# Altium PCB gateway.PcbDoc (part 3 of 4) (continued)
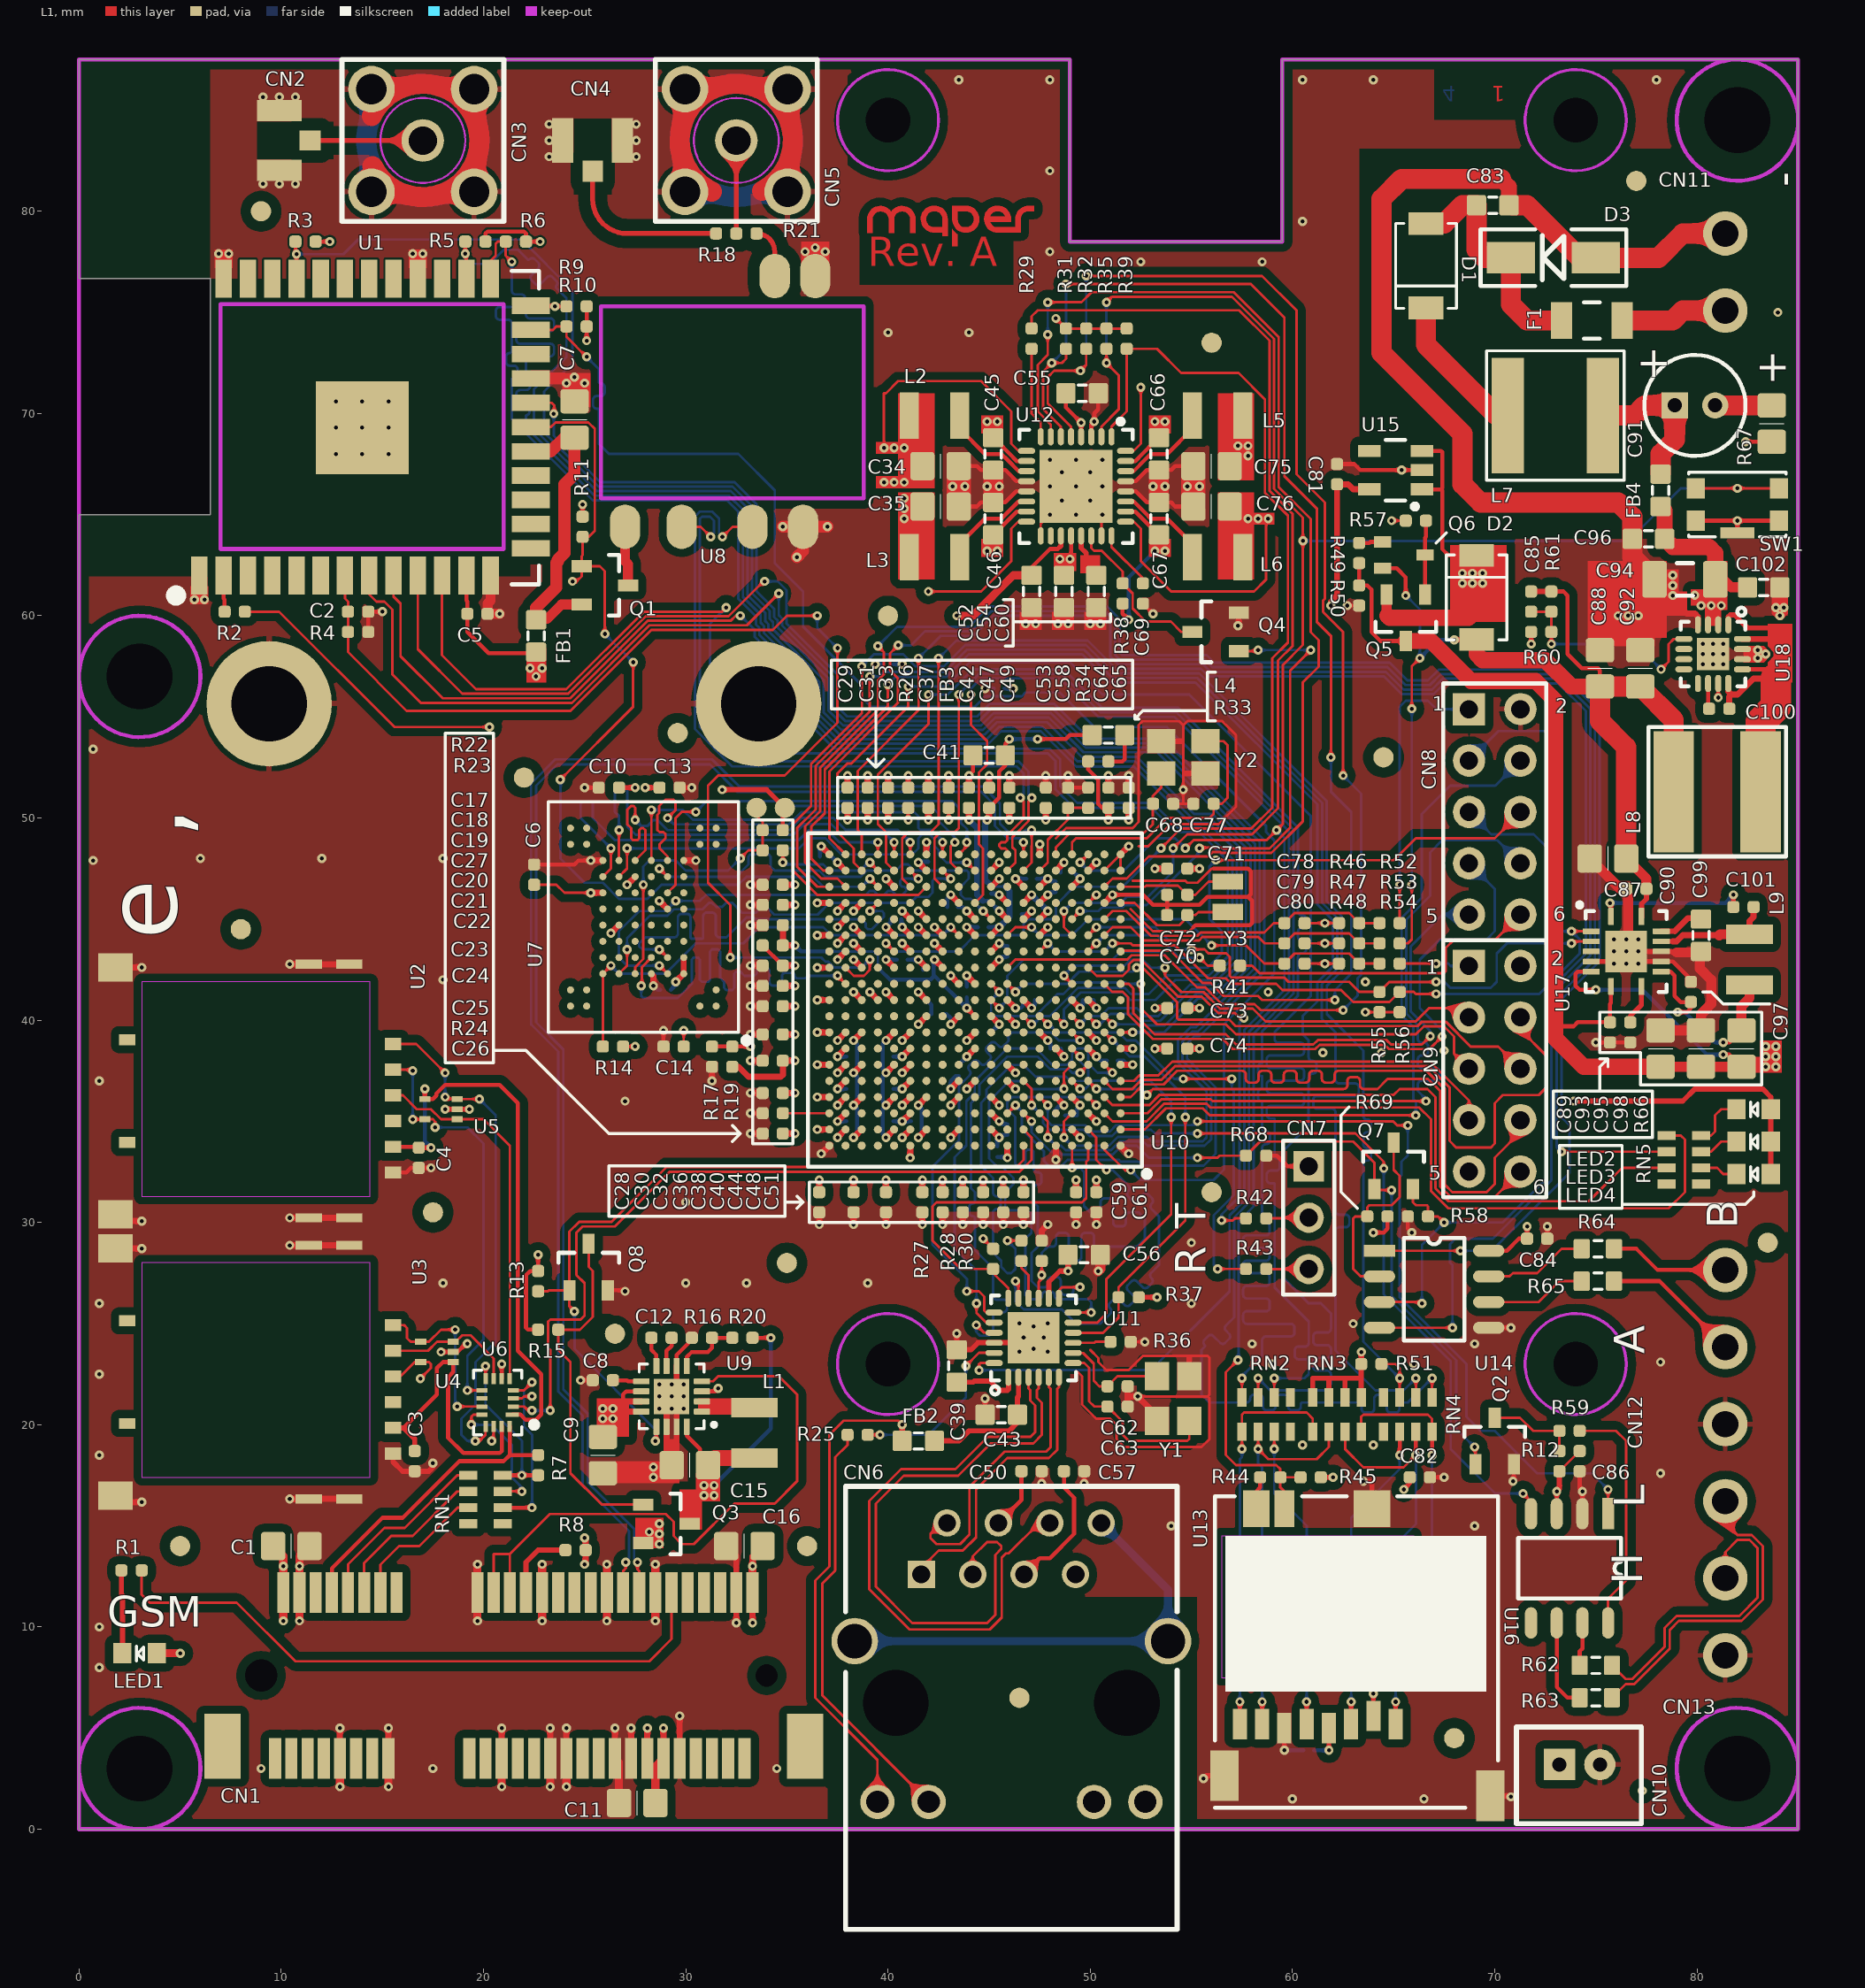
[diagram p0: L1 view]
## Nets (pads, with @x,y where several pads share a name; then routed paths per layer and width w, separated by ;. In a path a pad name is that pad's centre, name@x,y a point inside that pad or via, vN(x,y) a via of type N, cw(c..) or ccw(c..) an arc to the next point about the centre after c; other vN are vias at no path point) (continued)
  L4 w0.125: v1(49.512,72.112) 49.8,72.4 v1(49.8,76.8) ; v1(62.5,40.5) 63.212,41.212 63.212,42.061 63.4,42.248 63.4,51.2 v1(62.5,52.1)
MCP16502_INT: R39.1 U10.N15 U12.1 | length 56.8
  L1 w0.125: v1@39.902,43.798 U10.N15@40.3,43.4 ; U12.1@51.05,68.85 51.05,69.35 51.8,70.1 R39.1@51.8,73.2 53.3,73.2 54.5,72 57.33,72 58.639,70.691 58.639,66.086 59.775,64.949 59.775,58.675 58.993,57.893 58.993,50.511 57.957,49.475 54.475,49.475 v1(53.5,48.5)
  L4 w0.125: v1(39.9,43.798) 40.298,43.4 43.5,43.4 44.3,44.2 46.6,44.2 46.7,44.3 46.7,44.748 46.939,44.988 48.088,44.988 48.3,45.2 48.3,45.7 49.2,46.6 51.6,46.6 v1(53.5,48.5)
MEAS_5V: C79.2 R47.2 R53.1 U10.P2 | length 14.6
  L1 w0.125: U10.P2@50.7,44.2 51.1,44.6 52,44.6 52.65,43.95 55.384,43.95 55.546,44.113 58.31,44.113 58.623,43.8 C79.2@59.6,43.8 60.1,44.3 62.8,44.3 R47.2@63.3,43.8 R53.1@64.3,43.8
MEAS_VIN: C78.2 R46.2 R52.1 U10.R2 | length 14.9
  L1 w0.125: U10.R2@50.7,45 51.1,45.4 51.782,45.4 53.007,44.175 55.291,44.175 55.453,44.338 58.602,44.338 59.064,44.8 C78.2@59.6,44.8 60.1,45.3 62.8,45.3 R46.2@63.3,44.8 R52.1@64.3,44.8
MEAS_VSYS: C80.2 R48.2 R54.1 U10.P8 | length 20.2
  L1 w0.125: U10.P8@45.9,44.2 46.298,44.598 47.098,44.598 v1(47.1,44.6) ; v1(56,43.7) 57.7,43.7 58.6,42.8 C80.2@59.6,42.8 60.1,43.3 62.8,43.3 R48.2@63.3,42.8 R54.1@64.1,42.8
  L4 w0.125: v1(47.1,44.6) 47.5,44.2 49.1,44.2 49.9,45 54.7,45 v1(56,43.7)
MODEM_PG: CN1.20 CN1.22 U9.4 | length 31.4
  L1 w0.125: U9.4@30.8,22.15 31.35,22.15 31.6,22.4
  L1 w0.127: CN1.20@20.5,11.7 20.5,13.6 21.3,13.6 ; CN1.22@21.3,11.7 21.3,13.6 ; 31.6,22.4 34.6,22.4 35.5,21.5 35.5,17.2 34.4,16.1 32.4,16.1 30.4,14.1 29.8,14.1 29.4,14.5 29.4,15.2 29.013,15.587 23.287,15.587 21.3,13.6
NAND_ALE: U7.C4 U10.V14 | length 21.6
  L1 w0.125: v1(28.7,42.7) U7.C4@29.1,42.3 ; U10.V14@41.1,47.4 v1(41.5,47)
  L4 w0.125: v1(28.7,42.7) 27.1,42.7 26.7,43.1 26.7,44.4 27.7,45.4 29,45.4 v1(29.5,45.9) 30.7,45.9 31,46.2 38.9,46.2 39.1,46.4 39.3,46.4 39.5,46.2 39.8,46.2 40,46.4 40.2,46.4 40.4,46.2 40.7,46.2 40.9,46.4 40.9,46.5 40.8,46.6 40.7,46.6 40.6,46.7 40.6,46.9 40.7,47 v1(41.5,47)
NAND_CLE: U7.D5 U10.L18 | length 20.9
  L1 w0.125: v1(27.8,41.7) 27.838,41.738 27.838,42.637 U7.D5@28.3,43.1 ; v1(37.5,42.2) U10.L18@37.9,41.8
  L4 w0.125: v1@27.852,41.7 v1(27.8,41.7) 27.8,41.2 27.9,41.1 29.6,41.1 30.3,41.8 30.3,43 30.4,43.1 30.6,43.1 30.7,43 30.7,42 30.8,41.9 31.1,41.9 31.2,42 31.2,43.4 31.3,43.5 31.6,43.5 31.7,43.4 31.7,42.1 31.9,41.9 31.9,41.6 32,41.5 32.3,41.5 32.4,41.6 32.4,42.3 32.5,42.4 32.7,42.4 32.9,42.2 33.2,42.2 33.325,42.2 ccw(c33.325,42.387) 33.512,42.387 33.512,42.416 cw(c33.7,42.416) 33.7,42.604 33.95,42.604 cw(c33.95,42.416) 34.137,42.416 34.137,42.2 34.137,41.9 ccw(c34.325,41.9) 34.325,41.712 34.575,41.712 ccw(c34.575,41.9) 34.762,41.9 34.762,42.2 cw(c34.896,42.2) 34.896,42.333 35.254,42.333 cw(c35.254,42.2) 35.387,42.2 ccw(c35.513,42.2) 35.513,42.075 35.887,42.075 ccw(c35.887,42.2) 36.012,42.2 36.1,42.2 v1(37.5,42.2)
NAND_D0: U7.H4 U10.W11 | length 21
  L1 w0.127: U7.H4@29.1,46.3 29.5,46.7 29.5,50 29.8,50.3 v1(30.5,50.3) ; U10.W11@43.5,48.2 43.9,48.6 v1(43.9,48.8)
  L4 w0.127: v1(30.5,50.3) 31.026,50.826 43.174,50.826 43.5,50.5 43.5,50.02 43.612,49.908 43.612,49.739 43.9,49.451 v1(43.9,48.8)
NAND_D1: U7.J4 U10.R9 | length 21.1
  L1 w0.125: v1(28.7,47.5) U7.J4@29.1,47.1 ; v1(44.7,45.4) U10.R9@45.1,45
  L4 w0.125: v1(28.7,47.5) 29.025,47.175 29.1,47.1 32.5,47.1 33.1,47.7 33.1,48.1 33.2,48.2 34.1,48.2 34.2,48.1 34.2,47.6 34.4,47.4 36.6,47.4 36.9,47.1 38.652,47.1 38.952,47.4 40.4,47.4 40.7,47.7 41,47.7 41.3,47.4 43.9,47.4 44,47.3 44,47 43.6,46.6 43.6,46.2 43.8,46 44.1,46 v1(44.7,45.4)
NAND_D2: U7.K4 U10.W12 | length 20.8
  L1 w0.127: U7.K4@29.1,47.9 29.1,48.1 28.7,48.5 28.7,48.7 29,49 29,49.2 28.9,49.3 28.7,49.3 28.6,49.4 28.6,50.151 28.688,50.239 28.688,50.588 29,50.9 29.4,50.9 29.5,50.8 29.5,50.4 v1(29.1,50) ; U10.W12@42.7,48.2 v1(42.7,48.8)
  L4 w0.127: v1(29.1,50) 29.413,49.686 35.098,49.686 35.7,50.289 41.3,50.289 41.5,50.089 41.5,49.5 41.586,49.414 42.154,49.414 42.7,48.868 v1(42.7,48.8)
NAND_D3: U7.K5 U10.V11 | length 20.7
  L1 w0.125: U7.K5@28.3,47.9 28.3,50.3 v1(28.3,50.4) ; v1(43.3,48.8) 43.1,48.6 43.1,47.8 U10.V11@43.5,47.4
  L4 w0.125: v1(28.3,50.4) 29.852,50.4 30.339,49.912 34.712,49.912 35.4,50.6 42.1,50.6 42.5,50.2 42.5,49.852 43.3,49.052 v1(43.3,48.8)
NAND_D4: U7.K6 U10.W14 | length 21
  L1 w0.127: U7.K6@27.5,47.9 28,48.4 28,49.4 27.9,49.5 27.8,49.5 27.7,49.4 27.7,49 27.6,48.9 27.4,48.9 27.3,49 27.3,49.5 27.1,49.7 27.1,50.4 27.3,50.6 27.4,50.6 27.5,50.5 v1(27.5,49.9) ; U10.W14@41.1,48.2 v1(41.1,48.8)
  L4 w0.127: v1(27.5,49.9) 27.8,49.6 28.1,49.6 28.4,49.9 28.6,49.9 29.1,49.4 35.133,49.4 35.733,50 37.316,50 37.9,49.416 40.485,49.416 v1(41.1,48.8)
NAND_D5: U7.J7 U10.V10 | length 21.1
  L1 w0.125: U7.J7@26.7,47.1 27.1,47.5 v1(27.1,48.5) ; v1(43.9,47.8) U10.V10@44.3,47.4
  L4 w0.125: v1(27.1,48.5) 35.6,48.5 36.1,49 36.9,49 37.7,48.2 41.2,48.2 41.5,48.5 41.5,49 41.688,49.188 42.061,49.188 42.245,49.004 42.245,49.002 42.3,48.946 42.3,48.6 42.5,48.4 42.5,48.2 42.9,47.8 v1(43.9,47.8)
NAND_D6: U7.K7 U10.W15 | length 20.6
  L1 w0.127: U7.K7@26.7,47.9 v1(26.7,49.4) ; U10.W15@40.3,48.2 v1(40.3,48.8)
  L4 w0.127: v1(26.7,49.4) 26.7,50.1 26.5,50.3 26.5,51.4 26.6,51.5 27,51.5 27.1,51.4 27.1,49.6 27.527,49.173 35.332,49.173 35.859,49.7 37.189,49.7 37.7,49.189 39.912,49.189 v1(40.3,48.8)
NAND_D7: U7.J8 U10.W16 | length 21.4
  L1 w0.127: U7.J8@25.9,47.1 26.3,47.5 v1(26.3,48.5) ; U10.W16@39.5,48.2 v1(39.5,48.8)
  L4 w0.127: v1(26.3,48.5) 24.8,50 24.8,50.7 24.9,50.8 25.3,50.8 25.4,50.7 25.4,50 26.5,48.9 35.586,48.9 36.086,49.4 37,49.4 37.6,48.8 v1(39.5,48.8)
NAND_nCS: R23.2 U10.V16 | length 5.8
  L1 w0.125: v1(34.8,47.8) R23.2@34.8,48.4 ; v1(39.1,47.798) 39.102,47.798 U10.V16@39.5,47.4
  L4 w0.125: v1(34.8,47.8) 34.9,47.7 36.8,47.7 37.1,47.4 38.634,47.4 39.032,47.798 v1(39.1,47.798)
NAND_nCS_CHIP: pad.1@33.5,50.5 R22.1 R23.1 U7.C6 | length 14.3
  L1 w0.125: U7.C6@27.5,42.3 27.5,42.618 27.9,43.018 v1(27.9,46.7) ; v1(32.7,48) 33.1,48.4 R23.1@33.8,48.4 R22.1@33.8,49.4 33.8,49.8 33.5,50.1 pad.1@33.5,50.5
  L4 w0.125: v1(27.9,46.7) 27.9,47.6 28.2,47.9 29.5,47.9 30,47.4 32.1,47.4 v1(32.7,48)
NAND_OE: U7.D4 U10.T16 | length 20.9
  L1 w0.125: v1(28.7,43.5) U7.D4@29.1,43.1 ; v1(39.1,45.4) U10.T16@39.5,45.8
  L4 w0.125: v1(28.7,43.5) 27.85,43.5 27.7,43.65 27.7,43.8 28,44.1 29.3,44.1 29.425,44.1 ccw(c29.425,44.288) 29.612,44.288 29.612,45.075 cw(c29.8,45.075) 29.8,45.262 30.05,45.262 cw(c30.05,45.075) 30.237,45.075 30.237,44.1 ccw(c30.312,44.1) 30.312,44.025 30.787,44.025 ccw(c30.787,44.1) 30.862,44.1 30.862,45.138 cw(c31.05,45.138) 31.05,45.325 31.3,45.325 cw(c31.3,45.138) 31.487,45.138 31.487,44.288 ccw(c31.675,44.288) 31.675,44.1 32.012,44.1 33,45.088 33.361,45.088 33.448,45 38.7,45 38.9,44.8 38.9,44.6 39,44.5 39.2,44.5 39.8,45.1 39.8,45.3 39.7,45.4 v1(39.1,45.4)
NAND_RDY/nBSY: R14.1 U7.C8 U10.P11 | length 23
  L1 w0.125: R14.1@25.9,38.7 U7.C8@25.9,42.3 v1(26.3,42.7) ; v1(43.1,44.6) U10.P11@43.5,44.2
  L4 w0.125: v1(26.3,42.7) 26.7,42.3 29,42.3 30.5,43.8 32.848,43.8 33.648,44.6 36.8,44.6 37.2,44.2 42.7,44.2 v1(43.1,44.6)
NAND_WE: U7.C7 U10.V12 | length 20.9
  L1 w0.125: U7.C7@26.7,42.3 27.1,42.7 v1(27.1,43.5) ; U10.V12@42.7,47.4 v1(43.1,47)
  L4 w0.125: v1(27.1,43.5) 27.1,44.048 28.227,45.175 29.093,45.175 29.406,45.487 30.831,45.487 31.143,45.8 31.3,45.8 31.5,45.6 31.8,45.6 32,45.8 32.3,45.8 32.787,45.313 33.454,45.313 33.741,45.6 34,45.6 34.375,45.225 36.525,45.225 37.1,45.8 41.1,45.8 41.4,46.1 42,46.1 42.2,46.3 42.2,46.9 42.3,47 v1(43.1,47)
NCP_CTS: CN9.10 U10.E3 | length 28.5
  L1 w0.125: U10.E3@49.9,37 v1@50.298,36.602 ; v1(52.8,36.3) 53.1,36.6 62.4,36.6 62.525,36.6 ccw(c62.525,36.788) 62.712,36.788 62.712,37 cw(c62.9,37) 62.9,37.188 63.15,37.188 cw(c63.15,37) 63.337,37 63.337,36.788 ccw(c63.525,36.788) 63.525,36.6 63.8,36.6 64.2,36.6 64.7,37.1 66.7,37.1 67.3,36.5 67.3,31.8 67.313,31.787 67.313,31.767 67.806,31.274 70.024,31.274 CN9.10@71.27,32.52
  L4 w0.125: v1(50.3,36.602) 52.498,36.602 v1(52.8,36.3)
NCP_GPIO0: CN9.3 U10.L4 | length 22.9
  L1 w0.125: v1(48.7,42.2) U10.L4@49.1,41.8 ; v1(53.7,42.6) 53.7,42.2 54.502,41.398 55.594,41.398 56.417,40.575 58.037,40.575 58.674,39.937 66.093,39.937 66.755,40.6 68.27,40.6 CN9.3@68.73,40.14
  L4 w0.125: v1(48.7,42.2) 49.2,42.7 51.7,42.7 51.988,42.988 52.613,42.988 53,42.6 v1(53.7,42.6)
NCP_GPIO1: CN9.5 U10.L9 | length 29.5
  L1 w0.127: U10.L9@45.1,41.8 v1(45.5,41.4) ; v1(52.5,41.8) 52.5,40.6 53.3,39.8 56.7,39.8 57.2,39.3 66.1,39.3 66.5,39.7 67.486,39.7 67.993,39.193 67.993,38.337 CN9.5@68.73,37.6
  L4 w0.127: v1(45.5,41.4) 45.1,41 45.1,40.3 45.2,40.2 47.279,40.2 48.379,41.3 48.67,41.3 49.232,41.861 51.76,41.861 51.821,41.8 v1(52.5,41.8)
NCP_nRST: CN9.7 U10.E1 | length 19.4
  L1 w0.127: U10.E1@51.5,37 52.158,37 52.438,37.28 53.38,37.28 54.054,37.954 66.808,37.954 68.73,36.032 CN9.7@68.73,35.06
NCP_RTS: CN9.4 U10.E2 | length 32.1
  L1 w0.127: U10.E2@50.7,37 51.1,36.6 52.079,36.6 52.532,37.053 53.523,37.053 54.197,37.727 66.714,37.727 67.766,36.674 67.766,34.034 68.1,33.7 69.8,33.7 70,33.9 70,35.9 70.4,36.3 72.174,36.3 72.574,36.7 72.574,38.226 71.27,39.53 CN9.4@71.27,40.14
NCP_RX: CN9.8 U10.D1 | length 31.5
  L1 w0.127: U10.D1@51.5,36.2 52,36.2 52.626,36.826 53.626,36.826 54.3,37.5 55.5,37.5 55.814,37.5 56.44,37.5 57.067,37.5 57.506,37.5 cw(c57.506,37.312) 57.694,37.312 57.694,37.1 ccw(c57.883,37.1) 57.883,36.912 58.133,36.912 ccw(c58.133,37.1) 58.321,37.1 58.321,37.312 cw(c58.51,37.312) 58.51,37.5 58.76,37.5 cw(c58.76,37.312) 58.948,37.312 58.948,37.1 ccw(c59.137,37.1) 59.137,36.912 59.387,36.912 ccw(c59.387,37.1) 59.575,37.1 59.575,37.312 cw(c59.764,37.312) 59.764,37.5 60.014,37.5 cw(c60.014,37.312) 60.202,37.312 60.202,37.1 ccw(c60.391,37.1) 60.391,36.912 60.641,36.912 ccw(c60.641,37.1) 60.829,37.1 60.829,37.312 cw(c61.018,37.312) 61.018,37.5 61.268,37.5 cw(c61.268,37.312) 61.456,37.312 61.456,37.1 ccw(c61.645,37.1) 61.645,36.912 61.895,36.912 ccw(c61.895,37.1) 62.083,37.1 62.083,37.312 cw(c62.272,37.312) 62.272,37.5 62.4,37.5 66.62,37.5 67.539,36.58 67.539,31.861 67.9,31.5 69.6,31.5 70,31.9 70,33.2 71.27,34.47 CN9.8@71.27,35.06
NCP_TX: CN9.6 U10.L8 | length 28.7
  L1 w0.127: U10.L8@45.9,41.8 v1(46.3,41.4) ; v1(52.3,42.6) 52.594,42.6 54.3,40.894 54.3,40.1 54.373,40.027 56.873,40.027 57.188,39.712 66.186,39.712 66.402,39.927 67.58,39.927 68.807,38.7 70.17,38.7 CN9.6@71.27,37.6
  L4 w0.127: v1(46.3,41.4) 46.7,41.8 48.849,41.8 49.449,42.4 52.1,42.4 v1(52.3,42.6)
NetC7_1: C7.1 FB1.2 Q1.2 U1.18 | length 14.7
  L1 w0.5: FB1.2@22.6,59.85 23.15,59.85 23.85,60.55 Q1.2@24.85,60.55
  L1 w0.6: U1.18@22.33,68.13 23.33,68.13 24,68.8 C7.1@24.5,68.8 24.5,67 24,66.5 24,63.1 23.67,62.77 23.67,62.688 23.6,62.618 23.6,61.4 22.6,60.4 FB1.2@22.6,59.85
NetC12_1: C12.1 U9.7 | length 1.5
  L1 w0.2: U9.7@29.05,22.9 29.05,23.65 29.3,23.9 C12.1@29.3,24.3
NetC12_2: C12.2 U9.8 | length 1.5
  L1 w0.2: C12.2@28.3,24.3 28.3,23.7 28.55,23.45 U9.8@28.55,22.9
NetC50_2: C50.2 CN6.4 | length 3
  L1 w0.203: CN6.4@45.46,15.14 46.6,16.28 C50.2@46.6,17.7
NetC57_2: C57.2 CN6.5 | length 6.6
  L1 w0.2: CN6.5@46.73,12.6 46.73,12.63 47.5,13.4 48,13.4 49.2,14.6 49.2,16.4 48.7,16.9 C57.2@48.7,17.7
NetC62_2: C62.2 U11.8 Y1.1 | length 5.5
  L1 w0.125: U11.8@49.15,23.55 49.65,23.55 50.175,23.025 50.175,22.175 50.45,21.9 C62.2@50.85,21.9 51.35,22.4 Y1.1@53.3,22.4
NetC63_2: C63.2 U11.7 Y1.3 | length 9.6
  L1 w0.125: U11.7@49.156,23.055 49.709,23.055 49.95,22.814 49.95,21.15 50.2,20.9 C63.2@50.85,20.9 51.6,20.15 51.6,19.5 51.9,19.2 54.8,19.2 54.9,19.3 Y1.3@54.9,20.2
NetC91_1: C91.1 FB4.1 L7.2 | length 7.6
  L1 w1: L7.2@75.15,69.9 76.911,69.9 77.411,70.4 C91.1@78.9,70.4 78.9,68.7 78.2,68 FB4.1@78.2,67.05
NetC91_2: C91.2 R67.1 | length 2.8
  L1 w1: C91.2@80.9,70.4 R67.1@83.7,70.4
NetC100_1: C100.1 L8.1 U18.1 U18.12 U18.13 U18.16 | length 14.9
  L1 w0.203: U18.12@81.55,56.25 U18.12@81.55,56.65 ; U18.1@81.55,59.55 U18.1@81.55,59.95 ; U18.13@82.25,57.35 83.55,57.35
  L1 w0.254: U18.1@81.55,59.95 81.646,60.046 81.854,60.046 82.5,59.4 83.6,59.4
  L1 w0.305: U18.12@81.55,56.25 81.7,56.1 ; C100.1@81.6,55.4 81.6,56 81.7,56.1 ; U18.16@82.25,58.85 83.55,58.85 ; 83.6,56.9 82.8,56.9 82,56.1 81.7,56.1
  L1 w1.5: L8.1@83.15,51.3 83.15,54.75 83.9,55.5 83.9,56.9
NetC100_2: C100.2 U18.10 | length 1.3
  L1 w0.203: U18.10@80.55,56.65 80.55,55.45 C100.2@80.6,55.4
NetCN1_10: CN1.10 RN1.1 | length 9.2
  L1 w0.125: CN1.10@13.3,11.7 13.3,13.1 15.1,14.9 16.1,14.9 18.7,17.5 RN1.1@19.25,17.5
NetCN1_12: CN1.12 RN1.2 | length 8.1
  L1 w0.125: CN1.12@14.1,11.7 14.1,13.159 15.441,14.5 16.5,14.5 18.7,16.7 RN1.2@19.25,16.7
NetCN1_14: CN1.14 RN1.3 | length 6.9
  L1 w0.125: CN1.14@14.9,11.7 14.9,13.082 15.817,14 16.822,14 18.721,15.9 RN1.3@19.25,15.9
NetCN1_24: CN1.24 R8.1 | length 3.7
  L1 w0.254: CN1.24@22.1,11.7 22.1,13.2 22.7,13.8 R8.1@24.05,13.8
NetCN1_42: CN1.42 R1.1 | length 31.5
  L1 w0.125: R1.1@3.1,12.8 3.1,11.6 3.5,11.2 7.8,11.2 10.7,8.3 28.2,8.3 29.3,9.4 CN1.42@29.3,11.7
NetCN7_2: CN7.2 R42.2 | length 2.1
  L1 w0.125: R42.2@58.7,30.2 59.5,30.2 59.54,30.24 CN7.2@60.8,30.24
NetCN7_3: CN7.3 R43.2 | length 2.1
  L1 w0.127: R43.2@58.7,27.7 CN7.3@60.8,27.7
NetD1_2: D1.2 L7.1 | length 7.5
  L1 w1: D1.2@66.6,75.2 66.6,73.4 70.1,69.9 L7.1@70.85,69.9
NetL2_1: L2.1 U12.11 | length 4.8
  L1 w0.2: L2.1@43.55,69.9 43.55,69.248 44.798,68 45.602,68 45.9,67.702 45.9,67.7 46.45,67.15 U12.11@46.85,67.15
NetL3_1: L3.1 U12.14 | length 4.8
  L1 w0.2: L3.1@43.55,62.9 43.55,63.552 44.798,64.8 45.602,64.8 45.9,65.098 45.9,65.1 46.45,65.65 U12.14@46.85,65.65
NetL4_1: L4.1 R33.2 | length 2
  L1 w0.2: R33.2@50.9,52.8 51.6,52.8 51.7,52.9 L4.1@51.7,54.1
NetL5_1: L5.1 U12.30 | length 4.8
  L1 w0.2: U12.30@51.75,67.15 52.15,67.15 52.7,67.7 52.7,67.702 52.998,68 53.802,68 55.05,69.248 L5.1@55.05,69.9
NetL6_1: L6.1 U12.27 | length 4.8
  L1 w0.2: U12.27@51.75,65.65 52.15,65.65 52.7,65.1 52.7,65.098 52.998,64.8 53.802,64.8 55.05,63.552 L6.1@55.05,62.9
NetLED1_2: LED1.2 R1.2 | length 4.1
  L1 w0.254: R1.2@2.1,12.8 2.1,11.6 2.15,11.55 LED1.2@2.15,8.7
NetLED2_2: LED2.2 RN5.8 | length 2.8
  L1 w0.125: RN5.8@80.2,34.3 80.7,34.3 80.9,34.5 80.9,35.3 81.2,35.6 LED2.2@81.95,35.6
NetLED3_2: LED3.2 RN5.7 | length 2
  L1 w0.125: RN5.7@80.2,33.5 80.7,33.5 81.2,34 LED3.2@81.95,34
NetLED4_2: LED4.2 RN5.6 | length 1.9
  L1 w0.125: RN5.6@80.2,32.7 81,32.7 81.3,32.4 LED4.2@81.95,32.4
NetQ1_3: Q1.3 U8.1 | length 3
  L1 w0.5: U8.1@27,64.4 27,62.7 27.15,62.55 Q1.3@27.15,61.5
NetQ2_3: Q2.3 R12.2 R59.1 | length 4.5
  L1 w0.125: Q2.3@70,20.35 71.25,20.35 71.9,19.7 R59.1@73.2,19.7 R12.2@73.2,18.7
NetQ3_1: Q3.1 Q8.3 R15.1 | length 17.3
  L1 w0.125: Q8.3@25.2,28.95 25.2,27.8 25.4,27.6 25.4,25.331 24.769,24.7 R15.1@23.7,24.7 23.7,23.7 24.3,23.1 24.3,17.6 25.85,16.05 Q3.1@27.9,16.05
NetQ5_1: Q5.1 Q6.3 R57.1 | length 3.7
  L1 w0.2: Q5.1@66.55,61.05 Q6.3@66.55,63 66.55,63.85 66.6,63.9 R57.1@66.6,64.7
NetQ6_1: Q6.1 R49.1 | length 1.2
  L1 w0.2: R49.1@63.3,63.6 63.8,63.6 63.85,63.65 Q6.1@64.45,63.65
NetQ7_3: Q7.3 R69.1 U14.2 | length 9.8
  L1 w0.125: U14.2@64.3,27.335 63.365,27.335 63,27.7 63,30.2 63.1,30.3 R69.1@63.7,30.3 63.7,30.75 63.8,30.85 64.9,30.85 65.3,31.25 65.3,32.3 65,32.6 Q7.3@65,33.95
NetR2_1: R2.1 U1.2 | length 1.8
  L1 w0.2: U1.2@7.15,61.99 7.15,60.85 7.2,60.8 R2.1@7.2,60.2
NetR24_2: R24.2 U10.C19 | length 2.3
  L1 w0.125: R24.2@34.8,35.4 U10.C19@37.1,35.4
NetR25_2: R25.2 U11.23 | length 8.8
  L1 w0.125: R25.2@39,19.5 v1(39.6,19.5) ; v1(43.849,22.905) 44.499,23.555 U11.23@45.256,23.555
  L4 w0.125: v1(39.6,19.5) 42,19.5 43.849,21.349 v1(43.849,22.905)
NetR28_1: R28.1 U11.16 | length 2
  L1 w0.125: R28.1@46.6,28.1 46.6,27.75 46.95,27.4 U11.16@46.95,26.25
NetR36_2: R36.2 U11.9 | length 1.9
  L1 w0.125: U11.9@49.15,24.05 50.2,24.05 50.25,24.1 R36.2@51,24.1
NetR41_1: R41.1 U10.N3 | length 7.5
  L1 w0.125: U10.N3@49.9,43.4 v1(50.3,43.8) ; v1(55.4,43.1) 55.8,42.7 R41.1@56.4,42.7
  L4 w0.125: v1(50.3,43.8) 50.7,44.2 53.3,44.2 54.41,43.09 55.39,43.09 v1(55.4,43.1)
NetR44_2: R44.2 U13.G1 | length 1.6
  L1 w0.2: U13.G1@58.21,15.85 58.21,16.71 58.4,16.9 R44.2@58.4,17.4
NetR59_2: R59.2 U16.8 | length 11.9
  L1 w0.125: R59.2@74.2,19.7 76,19.7 76.5,19.2 76.5,12.29 75.605,11.395 U16.8@75.605,10.2
NetR62_1: R62.1 U16.7 | length 2.2
  L1 w0.2: R62.1@74.2,8.1 74.2,8.8 74.335,8.935 U16.7@74.335,10.2
NetR63_1: R63.1 U16.6 | length 4.5
  L1 w0.2: U16.6@73.065,10.2 73.065,7.035 73.6,6.5 R63.1@74.2,6.5
NetR64_1: R64.1 U14.7 | length 5.2
  L1 w0.125: U14.7@69.7,27.335 70.735,27.335 70.9,27.5 72.1,27.5 73.3,28.7 R64.1@74.3,28.7
NetR65_1: R65.1 U14.6 | length 5
  L1 w0.125: U14.6@69.7,26.065 72.165,26.065 73.2,27.1 R65.1@74.3,27.1
nLED0: RN5.1 U10.C2 | length 37.4
  L1 w0.125: U10.C2@50.7,35.4 51.1,35 52.782,35 53.647,35.865 55.76,35.865 55.937,35.688 66.261,35.688 66.848,35.1 66.848,31.552 67.7,30.7 78.6,30.7 79.4,31.5 79.4,34.1 79.2,34.3 RN5.1@78.5,34.3
nLED1: RN5.2 U10.W18 | length 79
  L1 w0.127: U10.W18@37.9,48.2 37.1,49 37.1,52.3 40.5,55.7 40.5,56.9 40.1,57.3 40.1,58.137 v1(40.5,58.537) ; v1(73.3,33.5) RN5.2@78.5,33.5
  L4 w0.127: v1(40.5,58.537) 41.137,58.537 41.829,59.229 44.108,59.229 45.106,60.227 50.743,60.227 51.227,59.743 51.227,58.07 51.468,57.829 55.668,57.829 56.044,57.453 64.708,57.453 65.588,56.573 66.794,56.573 67.332,57.111 73.329,57.111 74.953,55.488 74.953,43.012 73.057,41.117 73.057,33.743 v1(73.3,33.5)
nLED2: RN5.3 U10.D2 | length 33.9
  L1 w0.127: U10.D2@50.7,36.2 51.1,35.8 52.912,35.8 53.429,36.316 65.016,36.316 65.3,36.6 66.674,36.6 67.074,36.2 67.074,31.687 67.713,31.048 74.648,31.048 76.3,32.7 RN5.3@78.5,32.7
nLPM: Q4.1 U10.R4 | length 25.6
  L1 w0.125: U10.R4@49.1,45 v1@49.498,45.398 ; v1(55.4,48.5) 55.438,48.538 56.529,48.538 56.566,48.5 58.862,48.5 59.887,49.525 59.887,57.286 v1(60.901,58.3) ; Q4.1@57.35,58.25 58.25,58.25 v1(58.3,58.3)
  L4 w0.125: v1(49.498,45.4) 50.4,45.4 50.575,45.575 51.593,45.575 51.706,45.688 52.788,45.688 55.4,48.3 v1(55.4,48.5) ; v1(58.3,58.3) v1(60.901,58.3)
nRST: R35.1 SW1.1 SW1.2 U10.W3 U11.24 U12.2 | length 120.2
  L1 w0.125: v2(44.5,22.7) 44.5,22.999 44.556,23.055 U11.24@45.256,23.055
  L1 w0.127: v1(49.5,47.8) U10.W3@49.9,48.2 ; U12.2@50.55,68.85 50.55,69.35 51.4,70.2 51.4,71.9 v1(50.8,72.5) R35.1@50.8,73.2 ; v1(50.8,75.5) 51.074,75.774 57.006,75.774 59.09,73.691 59.09,66.273 60.513,64.85 v1(60.513,63.7) 60.513,58.551 59.515,57.553 59.515,49.701 v1(59.214,49.4) 58.714,48.9 55.1,48.9 v1(54.7,48.5) ; SW1.2@79.95,66.3 v1(82,66.3) SW1.1@84.05,66.3
  L4 w0.125: v2(44.5,22.7) 53,22.7 56.887,26.587 56.887,30.351 57.623,31.086 57.623,39.523 59.6,41.5 59.6,49.014 v1(59.214,49.4)
  L4 w0.127: v1(49.5,47.8) 49.9,47.4 51.662,47.4 53.262,49 54.2,49 v1(54.7,48.5) ; v1(50.8,72.5) v1(50.8,75.5) ; v1(60.513,63.7) 76.6,63.7 79.2,66.3 v1(82,66.3)
nSTRT: C69.1 U12.24 | length 3
  L1 w0.125: U12.24@51.05,63.95 51.05,63.4 52.6,61.85 C69.1@52.6,61.6
PE: CN6.8 CN6.13 CN6.14 | length 22.7
  L4 w0.4: CN6.13@38.355,9.3 CN6.14@53.845,9.3 53.845,11.835 CN6.8@50.54,15.14
PWRHLD: R29.2 U12.8 | length 4.5
  L1 w0.125: R29.2@47.1,73.2 47.1,70 47.55,69.55 U12.8@47.55,68.85
RF_3G: CN2.1 CN3.5 | length 5.6
  L1 w0.24: CN2.1@11.425,83.5 CN3.5@17,83.5
RF_WIFI: CN5.5 R18.2 R21.2 | length 4.6
  L1 w0.24: R21.2@32.5,78.9 CN5.5@32.5,83.5
RF_WIFI1: CN4.1 R18.1 | length 8.4
  L1 w0.24: CN4.1@25.4,81.975 25.4,80.6 ccw(c27.1,80.6) 27.1,78.9 R18.1@31.5,78.9
RF_WIFI2: R21.1 U8.6 | length 2.6
  L1 w0.24: R21.1@33.5,78.9 cw(c33.5,78) 34.4,78 U8.6@34.4,76.8
RS485_A: CN12.2L R65.2 | length 6.9
  L1 w0.2: R65.2@75.9,27.1 78.14,27.1 CN12.2L@81.4,23.84
RS485_B: CN12.3L R64.2 | length 5.9
  L1 w0.2: R64.2@75.9,28.7 77,28.7 78.05,27.65 CN12.3L@81.4,27.65
RS485_RX: U10.U18 U14.1 | length 89.9
  L1 w0.127: U10.U18@37.9,46.6 37.5,47 36.7,47 35.9,47.8 35.9,49.58 36.646,50.326 36.646,52.488 39.5,55.342 39.5,56.8 39.8,57.1 39.8,58.2 v1(39.5,58.5) ; U14.1@64.3,28.605 64.305,28.6 v1(68.3,28.6)
  L4 w0.127: v1(39.5,58.5) 40.456,59.456 44.014,59.456 45.012,60.454 50.837,60.454 51.454,59.837 51.454,58.164 51.562,58.056 55.762,58.056 56.138,57.68 64.802,57.68 65.682,56.8 66.7,56.8 67.238,57.338 73.423,57.338 75.18,55.582 75.18,42.918 73.3,41.038 73.3,35.2 73.7,34.8 73.7,32.449 69.851,28.6 v1(68.3,28.6)
RS485_TE: Q7.2 R58.2 U10.U14 U14.3 | length 86.5
  L1 w0.125: U10.U14@41.1,46.6 40.7,47 40.7,48.987 41,49.287 42.087,49.287 42.5,49.7 v1(42.5,57.9) ; Q7.2@65.95,31.65 65.95,31 66.1,30.85 66.65,30.85 66.7,30.8 R58.2@66.7,30.3 67.2,30.3 v1(67.5,30)
  L1 w0.127: U14.3@64.3,26.065 66.335,26.065 v1(66.4,26)
  L4 w0.125: v1(42.5,57.9) 43.376,58.776 49.88,58.776 51.28,57.376 55.48,57.376 55.856,57 64.52,57 65.4,56.12 66.982,56.12 67.52,56.658 73.142,56.658 74.5,55.3 74.5,43.28 72.574,41.354 72.574,32.174 70.4,30 v1(67.5,30) 66.4,28.9 v1(66.4,26)
RS485_TX: U10.W17 U14.4 | length 86.7
  L1 w0.127: U10.W17@38.7,48.2 38.7,49.215 38.5,49.416 38.5,52.326 41.511,55.338 41.511,57.889 v1(41.5,57.9) ; U14.4@64.3,24.795 67.906,24.795 v1(67.911,24.8)
  L4 w0.127: v1(41.5,57.9) 42.602,59.002 44.202,59.002 45.2,60 50.649,60 51,59.649 51,57.976 51.374,57.602 55.574,57.602 55.95,57.226 64.614,57.226 65.494,56.346 66.888,56.346 67.426,56.884 73.235,56.884 74.726,55.394 74.726,43.187 72.8,41.261 72.8,32.08 69.92,29.2 68.06,29.2 67.8,28.94 67.8,28 67.911,27.889 v1(67.911,24.8)
RTC_OUT: U1.20 U10.C4 | length 76
  L1 w0.125: U1.20@22.33,70.53 23.37,70.53 23.5,70.4 23.5,70 23.509,69.991 v1(23.475,69.991) ; v1(48.7,34.2) 48.7,35 U10.C4@49.1,35.4
  L4 w0.125: v1(23.475,69.991) 23.475,68.907 25.773,66.609 32.411,66.609 33.5,65.52 33.5,61.211 34.375,60.336 34.375,59.936 34.538,59.773 34.538,59.426 37.05,56.914 37.05,55.314 37.789,54.575 44.602,54.575 45.215,55.188 48.049,55.188 49.761,53.475 53.398,53.475 58.15,48.723 58.15,42.586 55.226,39.663 54.96,39.663 54.337,39.04 54.337,37.911 55.75,36.498 55.75,34.202 55.56,34.012 53.025,34.012 52.8,34.238 51.368,34.238 50.931,33.8 49.1,33.8 v1(48.7,34.2)
SD_CD: R44.1 R45.2 U10.U12 U13.S2 | length 69.1
  L1 w0.125: U10.U12@42.7,46.6 42.3,47 42.3,49 42.6,49.3 43.3,49.3 43.5,49.5 v1(43.5,56.1) ; v1(57.3,23.2) 56.7,22.6 56.7,18.5 57.2,18 59.2,18 59.4,17.8 R44.1@59.4,17.4 ; U13.S2@59.6,15.85 59.6,16.7 59.4,16.9 R44.1@59.4,17.4 ; R45.2@60.4,17.4 R44.1@59.4,17.4
  L4 w0.125: v1(43.5,56.1) 43.5,56.118 44.507,57.125 48.593,57.125 50.493,55.225 54.255,55.225 60.05,49.43 60.05,41.314 58.073,39.337 58.073,30.8 57.337,30.064 57.337,23.237 v1(57.3,23.2)
SD_CDA: R51.2 RN4.7 U10.U13 | length 79.9
  L1 w0.125: v1(38.7,57.5) 38.712,57.487 38.712,55.192 36.195,52.675 36.195,50.595 35.275,49.675 35.275,47.425 36.5,46.2 41.5,46.2 U10.U13@41.9,46.6 ; R51.2@64.4,23 65.1,23 65.3,22.8 v1(65.3,22.3) RN4.7@65.3,21.35
  L4 w0.125: v1(38.7,57.5) 39.3,58.1 40.752,58.1 41.352,57.5 42.762,57.5 43.813,58.551 49.787,58.551 51.187,57.151 55.387,57.151 61.694,50.844 61.694,45.894 62.44,45.148 62.44,42.44 61.7,41.7 61.7,40.3 63.5,38.5 63.5,35.275 ccw(c63.688,35.275) 63.688,35.088 63.7,35.088 cw(c63.7,34.9) 63.888,34.9 63.888,34.65 cw(c63.7,34.65) 63.7,34.463 63.688,34.463 ccw(c63.688,34.275) 63.5,34.275 63.5,33.875 ccw(c63.688,33.875) 63.688,33.688 63.7,33.688 cw(c63.7,33.5) 63.888,33.5 63.888,33.25 cw(c63.7,33.25) 63.7,33.063 63.688,33.063 ccw(c63.688,32.875) 63.5,32.875 63.5,24.1 v1(65.3,22.3)
SD_CLK: RN2.6 U10.V17 | length 78.5
  L1 w0.125: U10.V17@38.7,47.4 38.3,47.8 38.3,48.5 37.5,49.3 37.5,52.2 38,52.7 38.2,52.7 41,55.5 ; 41,55.5 v1(41,56.5) ; RN2.6@59.1,21.35 v1(59.1,22.3)
  L4 w0.125: v1(41,56.5) 42.842,56.5 44.042,57.7 49,57.7 50.6,56.1 54.9,56.1 60.9,50.1 60.9,41.2 59.119,39.419 59.119,39.075 ccw(c59.306,39.075) 59.306,38.888 60.387,38.888 cw(c60.387,38.7) 60.574,38.7 60.574,38.45 cw(c60.387,38.45) 60.387,38.263 58.912,38.263 ccw(c58.912,38.075) 58.725,38.075 58.725,37.825 ccw(c58.912,37.825) 58.912,37.638 60.387,37.638 cw(c60.387,37.45) 60.574,37.45 60.574,37.2 cw(c60.387,37.2) 60.387,37.013 58.912,37.013 ccw(c58.912,36.825) 58.725,36.825 58.725,36.575 ccw(c58.912,36.575) 58.912,36.388 60.387,36.388 cw(c60.387,36.2) 60.574,36.2 60.574,35.95 cw(c60.387,35.95) 60.387,35.763 58.912,35.763 ccw(c58.912,35.575) 58.725,35.575 58.725,35.325 ccw(c58.912,35.325) 58.912,35.138 59.081,35.138 cw(c59.081,35.1) 59.119,35.1 59.119,33.255 ccw(c59.187,33.255) 59.187,33.188 cw(c59.187,33) 59.374,33 59.374,32.75 cw(c59.187,32.75) 59.187,32.563 58.912,32.563 ccw(c58.912,32.375) 58.725,32.375 58.725,32.125 ccw(c58.912,32.125) 58.912,31.938 59.081,31.938 cw(c59.081,31.9) 59.119,31.9 59.119,26.781 60.8,25.1 60.8,24.05 cw(c60.613,24.05) 60.613,23.863 60.3,23.863 ccw(c60.3,23.675) 60.112,23.675 60.112,23.425 ccw(c60.3,23.425) 60.3,23.238 60.613,23.238 cw(c60.613,23.05) 60.8,23.05 60.8,22.5 60.6,22.3 v1(59.1,22.3)